# Altium PCB miniBackplane.PcbDoc (part 10 of 24)
Units mil, origin at the board's own origin, x right, y up, seen from the top; angles counter-clockwise.
Board outline 17285.63 x 8582.68 mil, 6 copper layers (Top Layer, Mid-Layer 1, GND, PWR, Mid-Layer 2, Bottom Layer), stack 62.362 mil thick; 519 components, 474 nets, 2434 pads, 1493 vias.
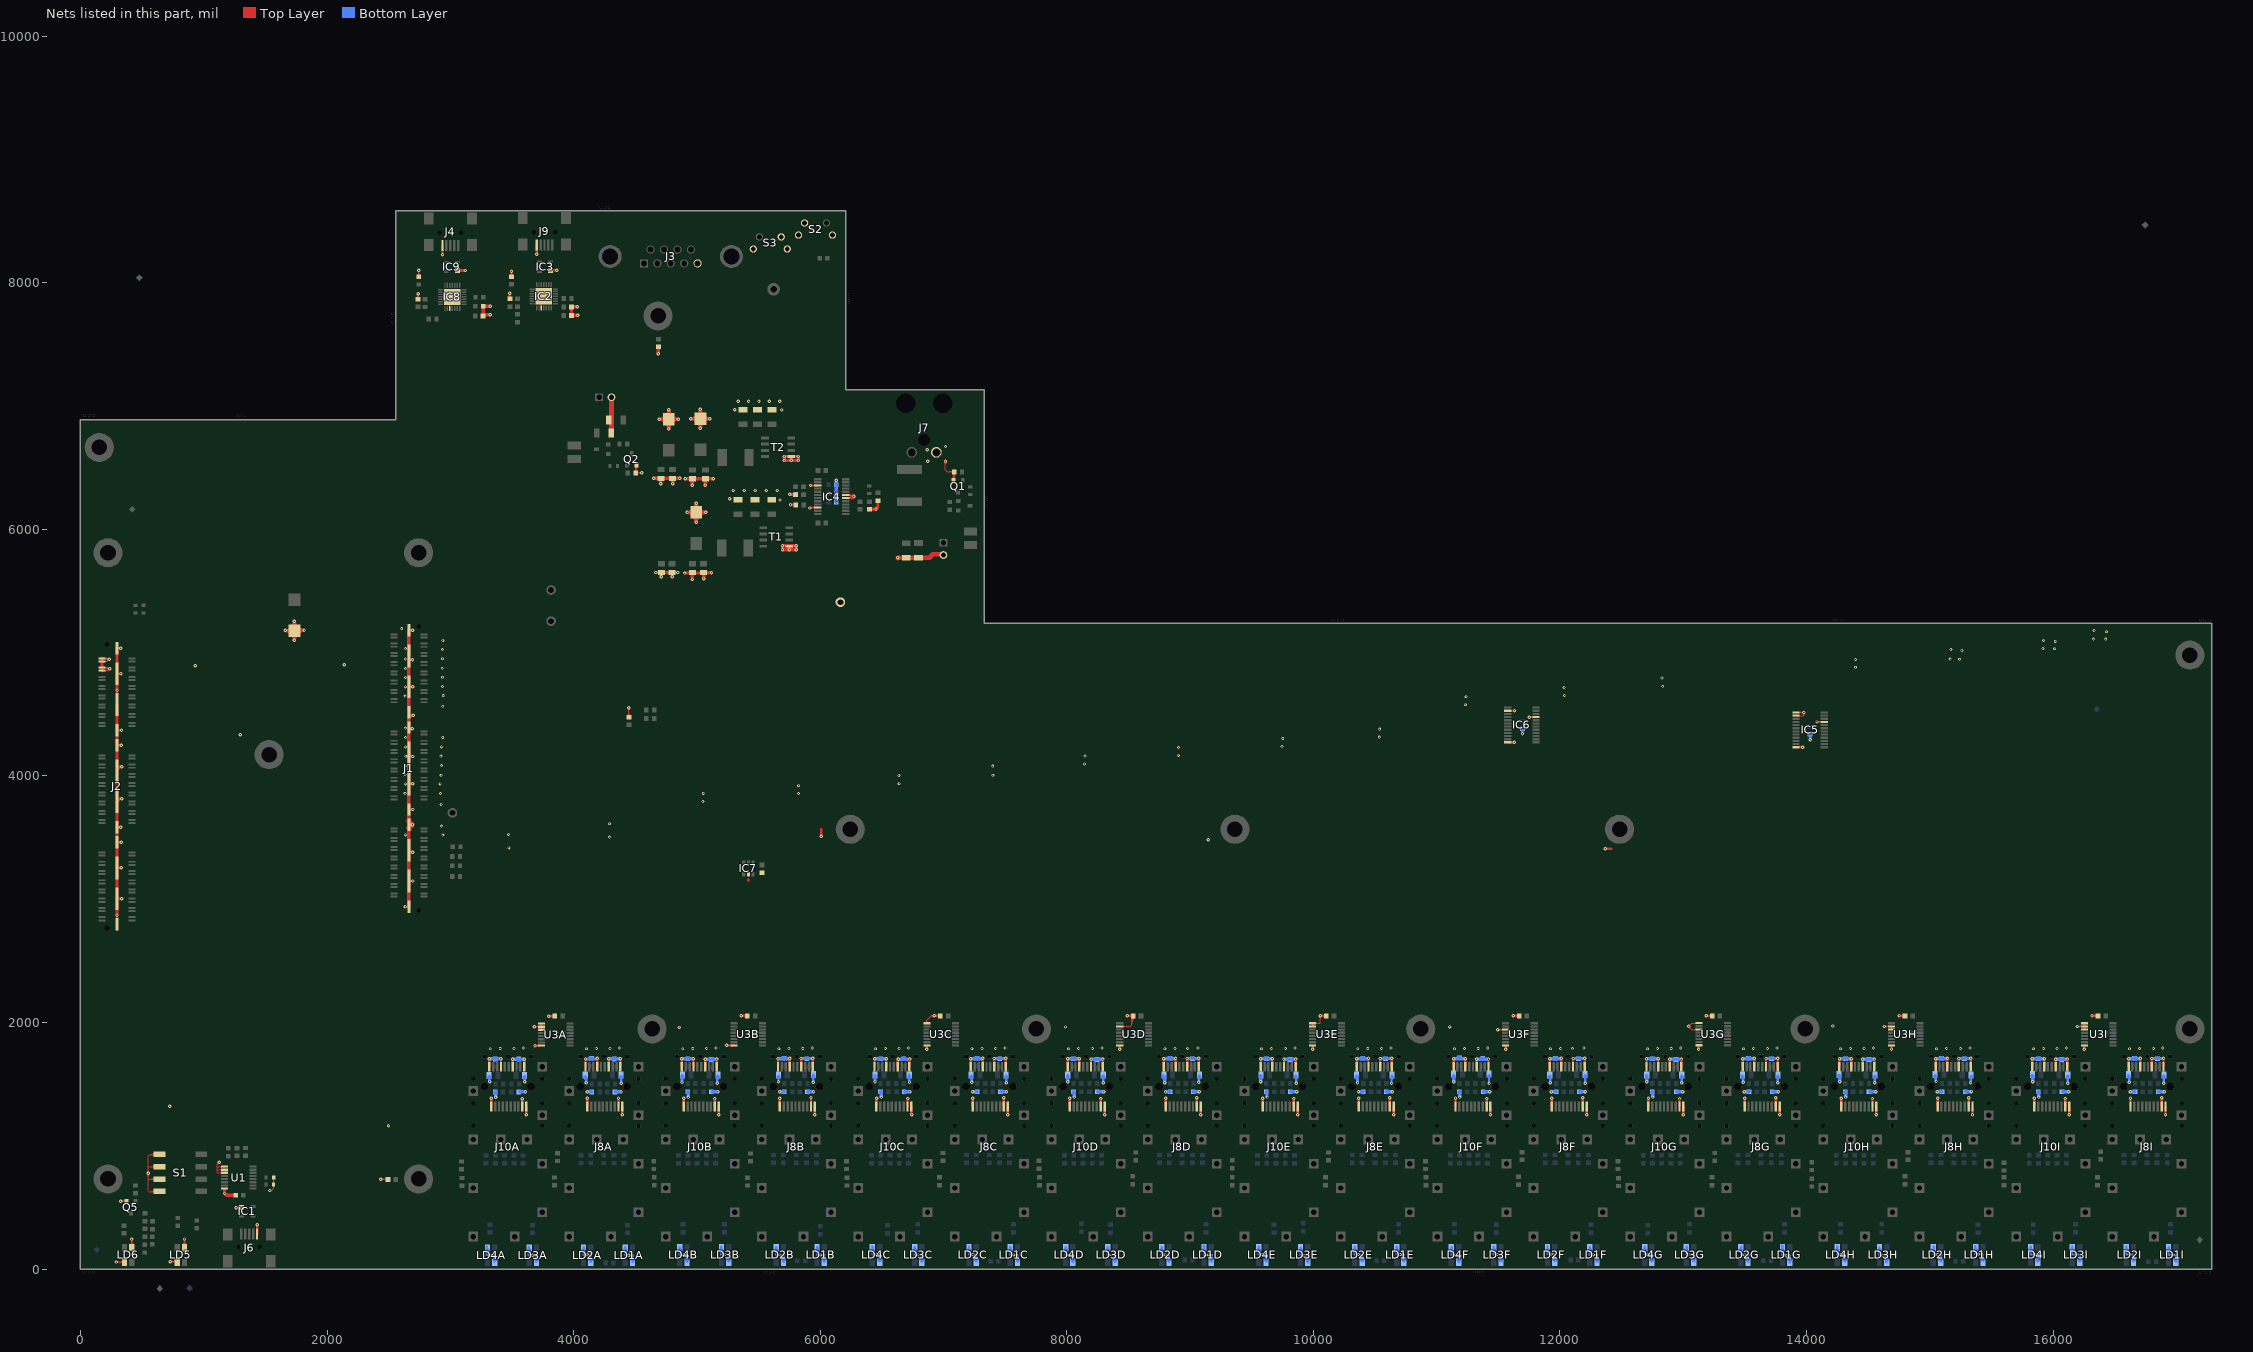
[diagram p14: the nets of this part, all layers, seen from the top]

## Via types
v1: diameter 27.56, hole 11.81, Top Layer to Bottom Layer, tented both sides, 1347 vias
v2: diameter 23.62, hole 11.81, Top Layer to Bottom Layer, tented both sides, 146 vias

## Nets (pads, with @x,y where several pads share a name; then routed paths per layer and width w, separated by ;. In a path a pad name is that pad's centre, name@x,y a point inside that pad or via, vN(x,y) a via of type N, cw(c..) or ccw(c..) an arc to the next point about the centre after c; other vN are vias at no path point) (continued)
GND: C1.1 C2.1 C3A.1 C3B.1 C3C.1 C3D.1 C3E.1 C3F.1 C3G.1 C3H.1 C3I.1 C4A.2 C4B.2 C4C.2 C4D.2 C4E.2 C4F.2 C4G.2 C4H.2 C4I.2 C5A.2 C5B.2 C5C.2 C5D.2 C5E.2 C5F.2 C5G.2 C5H.2 C5I.2 C6A.2 C6B.2 C6C.2 C6D.2 C6E.2 C6F.2 C6G.2 C6H.2 C6I.2 C7A.2 C7B.2 C7C.2 C7D.2 C7E.2 C7F.2 C7G.2 C7H.2 C7I.2 C8A.1 C8B.1 C8C.1 C8D.1 C8E.1 C8F.1 C8G.1 C8H.1 C8I.1 C9A.2 C9B.2 C9C.2 C9D.2 C9E.2 C9F.2 C9G.2 C9H.2 C9I.2 C10A.1 C10B.1 C10C.1 C10D.1 C10E.1 C10F.1 C10G.1 C10H.1 C10I.1 C11A.2 C11B.2 C11C.2 C11D.2 C11E.2 C11F.2 C11G.2 C11H.2 C11I.2 C12A.2 C12B.2 C12C.2 C12D.2 C12E.2 C12F.2 C12G.2 C12H.2 C12I.2 C13A.2 C13B.2 C13C.2 C13D.2 C13E.2 C13F.2 C13G.2 C13H.2 C13I.2 C14A.2 C14B.2 C14C.2 C14D.2 C14E.2 C14F.2 C14G.2 C14H.2 C14I.2 C15A.1 C15B.1 C15C.1 C15D.1 C15E.1 C15F.1 C15G.1 C15H.1 C15I.1 C16.1 C17.2 C18.2 C19.2 C20.2 C21.2 C22.2 C23.2 C24.2 C26.2 C27.2 C28.1 C29.2 C30.2 C31.2 C32.2 C33.1 C34.1 C35.2 C36.2 C37.2 C39.2 C40.2 C41.2 C43.2 C44.2 C45.2 C46.2 C55.1 C56.1 C57.2 C58.2 IC1.1 IC2.3 IC2.29 IC3.1 IC4.6 IC4.7 IC4.15 IC4.22 IC5.1 IC5.2 IC5.12 IC5.21 IC6.2 IC6.12 IC6.21 IC7.2 IC8.3 IC8.29 IC9.1 J1.97 J1.98 J1.99 J1.100 J1.101 J1.102 J1.103 J1.104 J1.105 J1.106 J1.107 J1.108 J2.89 J2.91 J2.93 J2.95 J2.97 J2.98 J2.99 J2.100 J2.101 J2.102 J2.103 J2.104 J2.105 J2.106 J2.107 J2.108 J3.5 J4.5 J5.2 J6.5 J7.2 J8A.1 J8A.9 J8A.10 J8A.11 J8A.14 J8A.17 J8A.20 J8B.1 J8B.9 J8B.10 J8B.11 J8B.14 J8B.17 J8B.20 J8C.1 J8C.9 J8C.10 J8C.11 J8C.14 J8C.17 J8C.20 J8D.1 J8D.9 J8D.10 J8D.11 J8D.14 J8D.17 J8D.20 J8E.1 J8E.9 J8E.10 J8E.11 J8E.14 J8E.17 J8E.20 J8F.1 J8F.9 J8F.10 J8F.11 J8F.14 J8F.17 J8F.20 J8G.1 J8G.9 J8G.10 J8G.11 J8G.14 J8G.17 J8G.20 J8H.1 J8H.9 J8H.10 J8H.11 J8H.14 J8H.17 J8H.20 J8I.1 J8I.9 J8I.10 J8I.11 J8I.14 J8I.17 J8I.20 J9.5 J10A.1 J10A.9 J10A.10 J10A.11 J10A.14 J10A.17 J10A.20 J10B.1 J10B.9 J10B.10 J10B.11 J10B.14 J10B.17 J10B.20 J10C.1 J10C.9 J10C.10 J10C.11 J10C.14 J10C.17 J10C.20 J10D.1 J10D.9 J10D.10 J10D.11 J10D.14 J10D.17 J10D.20 J10E.1 J10E.9 J10E.10 J10E.11 J10E.14 J10E.17 J10E.20 J10F.1 J10F.9 J10F.10 J10F.11 J10F.14 J10F.17 J10F.20 J10G.1 J10G.9 J10G.10 J10G.11 J10G.14 J10G.17 J10G.20 J10H.1 J10H.9 J10H.10 J10H.11 J10H.14 J10H.17 J10H.20 J10I.1 J10I.9 J10I.10 J10I.11 J10I.14 J10I.17 J10I.20 J11.2 L7.1 LD1A.1 LD1A.4 LD1B.1 LD1B.4 LD1C.1 LD1C.4 LD1D.1 LD1D.4 LD1E.1 LD1E.4 LD1F.1 LD1F.4 LD1G.1 LD1G.4 LD1H.1 LD1H.4 LD1I.1 LD1I.4 LD2A.1 LD2A.4 LD2B.1 LD2B.4 LD2C.1 LD2C.4 LD2D.1 LD2D.4 LD2E.1 LD2E.4 LD2F.1 LD2F.4 LD2G.1 LD2G.4 LD2H.1 LD2H.4 LD2I.1 LD2I.4 LD3A.1 LD3A.4 LD3B.1 LD3B.4 LD3C.1 LD3C.4 LD3D.1 LD3D.4 LD3E.1 LD3E.4 LD3F.1 LD3F.4 LD3G.1 LD3G.4 LD3H.1 LD3H.4 LD3I.1 LD3I.4 LD4A.1 LD4A.4 LD4B.1 LD4B.4 LD4C.1 LD4C.4 LD4D.1 LD4D.4 LD4E.1 LD4E.4 LD4F.1 LD4F.4 LD4G.1 LD4G.4 LD4H.1 LD4H.4 LD4I.1 LD4I.4 LD5.1 LD5.4 LD6.1 LD6.4 pad.@6164,5409 Q1.3 Q2.3 Q5.3 R1.2 R2.2 R5.2 R34.2 R35.2 R37.2 R40.1 R41.2 R42.2 R44.2 R46.2 R47.2 R66.2 R67.2 S1.5 S1.6 S1.7 S1.8 S2.2 S2.3 S2.4 S3.1 S3.3 S3.4 T1.1 T2.1 U1.1 U1.2 U1.3 U1.8 U3A.1 U3A.2 U3A.3 U3A.8 U3B.8 U3C.1 U3C.8 U3D.2 U3D.8 U3E.1 U3E.2 U3E.8 U3F.3 U3F.8 U3G.1 U3G.3 U3G.8 U3H.2 U3H.3 U3H.8 U3I.1 U3I.2 U3I.3 U3I.8 | length 62725.7
  Top Layer w7.87: J2.89@174.94,4853.79 219.93,4853.79 v1(236.22,4870.08) 227.51,4878.79 J2.91@174.94,4878.79 ; J2.93@174.94,4928.79 216.19,4928.79 ; J2.95@174.94,4953.79 223.37,4953.79 v1(232.28,4944.88) 216.19,4928.79 ; J2.91@199.02,4880.76 ccw(c210.45,4887.36) 207.04,4874.61 ; J2.95@199.02,4955.76 ccw(c213.83,4964.31) 209.4,4947.79 ; 205.79,4949.2 ccw(c213.85,4963.16) v1@225.29,4951.81 ; 210.03,4874.22 ccw(c217.86,4887.79) v1@229.14,4876.91 ; 214.64,4944.09 ccw(c221.35,4955.72) v1@230.89,4946.27 ; 218.75,4869.19 ccw(c225.33,4880.58) v1@234.8,4871.45 ; v1@222.64,4942.92 ccw(c209.24,4940.21) 216.08,4952.04 ccw(c220.7,4960.05) v1@226.31,4952.7 ; v1@226.55,4868.27 ccw(c213.86,4865.89) 220.31,4877.07 ccw(c224.68,4884.62) v1@230.1,4877.79 ; v1(289.94,56.94) LD6.4@357.47,56.94 ; 309.91,56.94 cw(c309.91,7.4) LD6.4@344.94,42.43 ; 319.49,56.94 ccw(c319.49,92.94) LD6.4@344.94,67.49 ; v1@323,544 v1(328.24,549.24) Q5.3@372.6,549.24 ; 328.92,56.94 cw(c328.92,26.41) LD6.4@350.51,48 ; LD6.4@344.94,44.42 ccw(c314.7,14.17) 314.7,56.94 ccw(c314.7,99.72) LD6.4@344.94,69.47 ; LD6.4@350.51,49.99 ccw(c333.71,33.18) 333.71,56.94 ccw(c333.71,80.71) LD6.4@350.51,63.9 ; LD6.1@404,193.47 ccw(c373.76,223.72) 416.53,223.72 ccw(c459.3,223.72) LD6.1@429.06,193.47 ; LD6.1@404,195.46 ccw(c373.76,225.7) 416.53,225.7 ccw(c459.3,225.7) LD6.1@429.06,195.46 ; LD6.1@409.57,187.9 ccw(c392.77,204.71) 416.53,204.71 ccw(c440.29,204.71) LD6.1@423.49,187.9 ; LD6.1@409.57,189.89 ccw(c392.77,206.69) 416.53,206.69 ccw(c440.29,206.69) LD6.1@423.49,189.89 ; v1@415,245 v1(416.53,243.47) LD6.1@416.53,175.06 ; S1.8@677.02,629 554,629 549,634 549,723 ; S1.7@677.02,729 555,729 549,723 ; S1.6@677.02,829 550,829 549,828 ; S1.5@677.02,929 561,929 549,917 549,828 ; v1@721,54 v1(726.94,59.94) LD5.4@785.47,59.94 ; v1@731.87,68.47 ccw(c747.31,95.22) 755.31,65.38 ; v1@735.02,59.94 ccw(c735.02,112.58) LD5.4@772.24,75.36 ; v1@735.47,55.02 cw(c749.87,46.71) 745.57,62.77 ; 748.97,59.94 cw(c748.97,27.04) LD5.4@772.24,50.31 ; 754.03,59.94 ccw(c754.03,93.57) LD5.4@777.8,69.79 ; LD5.4@772.94,47.42 ccw(c742.7,17.17) 742.7,59.94 ccw(c742.7,102.72) LD5.4@772.94,72.47 ; LD5.4@778.51,52.99 ccw(c761.71,36.18) 761.71,59.94 ccw(c761.71,83.71) LD5.4@778.51,66.9 ; LD5.1@831.29,193.47 ccw(c799.34,225.43) 844.53,225.43 ; LD5.1@832,198.46 ccw(c801.76,228.7) 844.53,228.7 ccw(c887.3,228.7) LD5.1@857.06,198.46 ; LD5.1@836.86,187.9 ccw(c818.35,206.42) 844.53,206.42 ; LD5.1@837.57,192.89 ccw(c820.77,209.69) 844.53,209.69 ccw(c868.29,209.69) LD5.1@851.49,192.89 ; LD5.1@844.53,178.06 844.53,230.53 v1@847,233 ; 844.53,203 ccw(c865.87,203) LD5.1@850.78,187.9 ; 844.53,222.01 ccw(c884.88,222.01) LD5.1@856.35,193.47 ; 1111.52,853.01 ccw(c1106.66,871.17) v1@1125.07,867.39 ; 1113.01,851.52 cw(c1131.17,846.66) v1@1127.39,865.07 ; v1(1127,867) 1110,850 1110,829 ; U1.3@1168.86,780.39 1113.61,780.39 1110,784 1110,806.5 ; U1.2@1168.86,805.98 1110.52,805.98 1110,806.5 ; U1.1@1168.86,831.57 1112.57,831.57 1110,829 ; v1(1534,637) 1549,637 1567.51,655.51 R66.2@1567.51,743 ; v1(2435,729) 2437,727 C41.2@2487.5,727 ; R44.2@2735,7866.5 2739,7870.5 v1(2739,7912) ; R46.2@2744,8048.5 v1(2744,8101) ; v1(2937.01,8227.99) v1@2938,8227 ; IC8.3@2996.31,7790.51 2996.31,7865.32 IC8.29@3016,7885 ; v1(3122.47,8099.47) v1@3125,8102 ; v1(3481,7914) 3481,7871.59 R34.2@3483.45,7869.14 ; v1@3495,8095 v1(3496,8094) R47.2@3496,8049.5 ; v1(3680.69,1965.94) U3A.2@3738.53,1965.94 ; U3A.3@3738.53,1940.35 U3A.2@3738.53,1965.94 ; U3A.1@3738.53,1991.53 U3A.2@3738.53,1965.94 ; IC2.3@3738.98,7795.37 3738.98,7870.17 IC2.29@3758.66,7889.86 ; R5.2@4448.82,4476.38 v1(4448.82,4551.18) ; R2.2@4492.69,6457.42 4509.2,6473.92 Q2.3@4509.2,6512.57 ; Q2.3@4499.42,6510.51 cw(c4471.45,6492.85) 4503.4,6484.29 ; R2.2@4503.69,6457.42 v1(4552.2,6457.42) v1@4553.2,6456.42 ; 4506.19,6494.71 cw(c4525.09,6489.64) Q2.3@4515.31,6506.59 ; IC4.7@6208,6278.73 6263.34,6278.73 ; IC4.7@6231.13,6274.47 cw(c6235.1,6267.59) IC4.7@6237.16,6275.26 ; IC4.7@6232.93,6281.19 ccw(c6246.62,6289.1) 6242.53,6273.83 ; 6244.72,6273.91 ccw(c6255.17,6292.01) v1@6268.1,6275.6 ; 6254.78,6268.11 ccw(c6262.91,6282.19) v1@6272.98,6269.42 ; 6255.01,6276.76 ccw(c6262.46,6289.67) v1@6269.53,6276.54 ; 6256.64,6275.81 cw(c6248.01,6260.86) v1@6264.69,6265.33 ; v1(6274.2,6267.87) 6263.34,6278.73 ; U3C.1@6864.98,1993.19 6864.98,2018.13 6900.48,2053.62 v1(6926.13,2053.62) ; v1(7016.36,6551.46) 7016.36,6483.64 7031.5,6468.5 7083,6468.5 R1.2@7087.5,6464 7081.6,6458.09 Q1.3@7081.6,6398.24 ; U3D.2@8429.98,1967.6 8515.24,1967.6 8527.97,1980.32 8527.97,2041.96 C9D.2@8539.63,2053.62 ; C9D.2@8529.47,2041.92 cw(c8520.41,2032.37) 8531.81,2025.79 ; C9D.2@8531.19,2040.53 cw(c8522.01,2027.36) 8535.65,2018.91 ; 8535.61,2032.36 cw(c8546.8,2025.9) C9D.2@8543.45,2038.38 ; C9D.2@8535.69,2046.99 cw(c8526.77,2034.19) 8540.03,2025.98 ; C9D.2@8540.19,2053.45 cw(c8531.53,2041.02) 8544.41,2033.05 ; U3E.2@9994.98,1967.6 U3E.1@9994.98,1993.19 9997.35,1995.56 10055.07,1995.56 ; 10056.13,1996.61 v1(10056.13,2053.62) ; v1@11497.09,1942.01 U3F.3@11559.55,1942.01 ; IC6.2@11577.4,4528.07 v1(11631.42,4528.07) ; v1(11752.6,4476.89) IC6.21@11805.75,4476.89 ; 11768.26,4474.72 cw(c11773.01,4456.99) IC6.21@11782.53,4472.68 ; 11768.26,4479.06 ccw(c11773.01,4496.79) IC6.21@11782.53,4481.1 ; v1@13042.89,1966.58 cw(c13039.12,1948.17) 13057.27,1953.03 ; v1@13042.89,1970.44 ccw(c13039.12,1988.85) 13057.27,1983.99 ; v1@13045.21,1968.12 cw(c13063.63,1964.35) 13058.76,1982.5 ; v1@13045.21,1968.91 ccw(c13063.63,1972.68) 13058.76,1954.52 ; 13097.3,1943.07 cw(c13099.79,1938.76) U3G.3@13104.04,1941.35 ; U3G.3@13123.5,1940.95 13070.84,1940.95 v1(13043.28,1968.51) 13067.96,1993.19 U3G.1@13124.55,1993.19 ; IC5.2@13914.92,4488.7 13974.25,4488.7 13978.35,4492.8 ; IC5.1@13914.92,4514.29 v1(13978.35,4514.29) 13978.35,4492.8 ; v1(14085.12,4437.52) IC5.21@14143.27,4437.52 ; v1(14631.72,1967.6) U3H.2@14689.55,1967.6 U3H.3@14689.55,1942.01 ; v1(16196.72,1967.6) U3I.2@16254.55,1967.6 ; U3I.3@16254.55,1942.01 U3I.2@16254.55,1967.6 ; U3I.1@16254.55,1993.19 U3I.2@16254.55,1967.6 ; 205.12,4853.79 ccw(c205.12,4844.29) 198.39,4851.01 cw(c205.12,4844.29) 205.12,4853.79 ; 205.12,4853.79 cw(c205.12,4863.3) 198.39,4856.58 ccw(c205.12,4863.3) 205.12,4853.79 ; 205.12,4878.79 ccw(c205.12,4869.29) 198.39,4876.01 cw(c205.12,4869.29) 205.12,4878.79 ; 205.12,4878.79 cw(c205.12,4888.3) 198.39,4881.58 ccw(c205.12,4888.3) 205.12,4878.79 ; 205.12,4928.79 ccw(c205.12,4919.29) 198.39,4926.01 cw(c205.12,4919.29) 205.12,4928.79 ; 205.12,4928.79 cw(c205.12,4938.3) 198.39,4931.58 ccw(c205.12,4938.3) 205.12,4928.79 ; 205.12,4953.79 ccw(c205.12,4944.29) 198.39,4951.01 cw(c205.12,4944.29) 205.12,4953.79 ; 205.12,4953.79 cw(c205.12,4963.3) 198.39,4956.58 ccw(c205.12,4963.3) 205.12,4953.79 ; 216.19,4928.79 ccw(c201.07,4943.91) 222.45,4944.58 cw(c201.07,4943.91) 216.19,4928.79 ; 216.19,4928.79 cw(c231.31,4913.67) 231.98,4935.04 ccw(c231.31,4913.67) 216.19,4928.79 ; 219.93,4853.79 ccw(c204.36,4869.37) 226.38,4869.86 cw(c204.36,4869.37) 219.93,4853.79 ; 219.93,4853.79 cw(c235.51,4838.22) 236,4860.24 ccw(c235.51,4838.22) 219.93,4853.79 ; 313.71,56.94 ccw(c313.71,33.18) 296.9,49.99 cw(c313.71,33.18) 313.71,56.94 ; 313.71,56.94 cw(c313.71,80.71) 296.9,63.9 ccw(c313.71,80.71) 313.71,56.94 ; 344.08,549.24 ccw(c344.08,577.76) 364.25,557.6 cw(c344.08,577.76) 344.08,549.24 ; 344.08,549.24 cw(c344.08,520.73) 364.25,540.89 ccw(c344.08,520.73) 344.08,549.24 ; 352.01,549.24 ccw(c352.01,525.48) 335.2,542.28 cw(c352.01,525.48) 352.01,549.24 ; 352.01,549.24 cw(c352.01,573.01) 335.2,556.2 ccw(c352.01,573.01) 352.01,549.24 ; 416.53,219.71 ccw(c392.77,219.71) 409.57,236.51 cw(c392.77,219.71) 416.53,219.71 ; 416.53,219.71 cw(c440.29,219.71) 423.49,236.51 ccw(c440.29,219.71) 416.53,219.71 ; 549,723 v1(549,775.5) 549,828 ; 549,751.74 ccw(c525.24,751.74) 542.04,768.54 cw(c525.24,751.74) 549,751.74 ; 549,751.74 cw(c572.76,751.74) 555.96,768.54 ccw(c572.76,751.74) 549,751.74 ; 549,799.26 ccw(c572.76,799.26) 555.96,782.46 cw(c572.76,799.26) 549,799.26 ; 549,799.26 cw(c525.24,799.26) 542.04,782.46 ccw(c525.24,799.26) 549,799.26 ; 750.71,59.94 ccw(c750.71,36.18) 733.9,52.99 cw(c750.71,36.18) 750.71,59.94 ; 750.71,59.94 cw(c750.71,83.71) 733.9,66.9 ccw(c750.71,83.71) 750.71,59.94 ; 1110,806.5 1110,829 ; 1110.2,850.2 ccw(c1093.4,867) 1117.16,867 cw(c1093.4,867) 1110.2,850.2 ; 1110.2,850.2 cw(c1127,833.4) 1127,857.16 ccw(c1127,833.4) 1110.2,850.2 ; 1137.29,780.39 ccw(c1137.29,792.27) 1145.69,783.87 cw(c1137.29,792.27) 1137.29,780.39 ; 1137.29,780.39 cw(c1137.29,768.5) 1145.69,776.91 ccw(c1137.29,768.5) 1137.29,780.39 ; 1137.29,805.98 ccw(c1137.29,817.86) 1145.69,809.46 cw(c1137.29,817.86) 1137.29,805.98 ; 1137.29,805.98 cw(c1137.29,794.1) 1145.69,802.5 ccw(c1137.29,794.1) 1137.29,805.98 ; 1137.29,831.57 ccw(c1137.29,843.45) 1145.69,835.05 cw(c1137.29,843.45) 1137.29,831.57 ; 1137.29,831.57 cw(c1137.29,819.69) 1145.69,828.09 ccw(c1137.29,819.69) 1137.29,831.57 ; v1@2731.04,7906.21 cw(c2713.4,7893.39) 2734.47,7887.74 ; v1@2731.04,7906.21 cw(c2713.4,7893.39) 2734.47,7887.74 ; v1@2731.04,7906.21 cw(c2713.4,7893.39) 2734.47,7887.74 ; 2735.87,7892.98 cw(c2752.56,7888.51) v1@2743.92,7903.48 ; 2735.87,7892.98 cw(c2752.56,7888.51) v1@2743.92,7903.48 ; 2735.87,7892.98 cw(c2752.56,7888.51) v1@2743.92,7903.48 ; 2739,7888.24 ccw(c2715.24,7888.24) 2732.04,7905.04 cw(c2715.24,7888.24) 2739,7888.24 ; 2739,7888.24 cw(c2762.76,7888.24) 2745.96,7905.04 ccw(c2762.76,7888.24) 2739,7888.24 ; 2744,8077.24 ccw(c2720.24,8077.24) 2737.04,8094.04 cw(c2720.24,8077.24) 2744,8077.24 ; 2744,8077.24 cw(c2767.76,8077.24) 2750.96,8094.04 ccw(c2767.76,8077.24) 2744,8077.24 ; 2744,8081.76 ccw(c2777.27,8081.76) 2753.74,8058.24 cw(c2777.27,8081.76) 2744,8081.76 ; 2744,8081.76 cw(c2710.73,8081.76) 2734.26,8058.24 ccw(c2710.73,8081.76) 2744,8081.76 ; v1@3473.99,7907.09 cw(c3462.01,7895.31) 3478.24,7890.96 ; v1@3473.99,7907.09 cw(c3462.01,7895.31) 3478.24,7890.96 ; v1@3473.99,7907.09 cw(c3462.01,7895.31) 3478.24,7890.96 ; v1@3476.08,7905.48 cw(c3468.81,7892.88) 3482.85,7896.65 ; v1@3476.08,7905.48 cw(c3468.81,7892.88) 3482.85,7896.65 ; v1@3476.08,7905.48 cw(c3468.81,7892.88) 3482.85,7896.65 ; 3480.1,7897.89 cw(c3492.17,7894.66) v1@3485.92,7905.48 ; 3480.1,7897.89 cw(c3492.17,7894.66) v1@3485.92,7905.48 ; 3480.1,7897.89 cw(c3492.17,7894.66) v1@3485.92,7905.48 ; 3481,7890.24 ccw(c3457.24,7890.24) 3474.04,7907.04 cw(c3457.24,7890.24) 3481,7890.24 ; 3481,7890.24 cw(c3504.76,7890.24) 3487.96,7907.04 ccw(c3504.76,7890.24) 3481,7890.24 ; 3484.47,7890.63 cw(c3502.22,7895.39) v1@3488.4,7907.51 ; 3484.47,7890.63 cw(c3502.22,7895.39) v1@3488.4,7907.51 ; 3484.47,7890.63 cw(c3502.22,7895.39) v1@3488.4,7907.51 ; v1@3488.79,8087.3 cw(c3476.1,8075.48) 3492.85,8071 ; v1@3488.79,8087.3 cw(c3476.1,8075.48) 3492.85,8071 ; v1@3488.79,8087.3 cw(c3476.1,8075.48) 3492.85,8071 ; v1@3491.08,8085.48 cw(c3484.16,8073.5) 3497.52,8077.08 ; v1@3491.08,8085.48 cw(c3484.16,8073.5) 3497.52,8077.08 ; v1@3491.08,8085.48 cw(c3484.16,8073.5) 3497.52,8077.08 ; 3494.48,8077.08 cw(c3507.84,8073.5) v1@3500.92,8085.48 ; 3494.48,8077.08 cw(c3507.84,8073.5) v1@3500.92,8085.48 ; 3494.48,8077.08 cw(c3507.84,8073.5) v1@3500.92,8085.48 ; 3496,8070.24 ccw(c3472.24,8070.24) 3489.04,8087.04 cw(c3472.24,8070.24) 3496,8070.24 ; 3496,8070.24 cw(c3519.76,8070.24) 3502.96,8087.04 ccw(c3519.76,8070.24) 3496,8070.24 ; v1@3496,8082.76 ccw(c3529.27,8082.76) 3505.74,8059.24 cw(c3529.27,8082.76) v1@3496,8082.76 ; v1@3496,8082.76 cw(c3462.73,8082.76) 3486.26,8059.24 ccw(c3462.73,8082.76) v1@3496,8082.76 ; 3499.15,8071 cw(c3515.9,8075.48) v1@3503.21,8087.3 ; 3499.15,8071 cw(c3515.9,8075.48) v1@3503.21,8087.3 ; 3499.15,8071 cw(c3515.9,8075.48) v1@3503.21,8087.3 ; 3704.45,1965.94 ccw(c3704.45,1942.18) 3687.65,1958.98 cw(c3704.45,1942.18) 3704.45,1965.94 ; 3704.45,1965.94 cw(c3704.45,1989.7) 3687.65,1972.9 ccw(c3704.45,1989.7) 3704.45,1965.94 ; 3706.96,1965.94 ccw(c3706.96,1977.82) 3715.36,1969.42 cw(c3706.96,1977.82) 3706.96,1965.94 ; 3706.96,1965.94 cw(c3706.96,1954.06) 3715.36,1962.46 ccw(c3706.96,1954.06) 3706.96,1965.94 ; 3738.53,1952.23 ccw(c3750.41,1952.23) 3742.01,1943.83 cw(c3750.41,1952.23) 3738.53,1952.23 ; 3738.53,1952.23 cw(c3726.65,1952.23) 3735.05,1943.83 ccw(c3726.65,1952.23) 3738.53,1952.23 ; 3738.53,1954.06 ccw(c3726.65,1954.06) 3735.05,1962.46 cw(c3726.65,1954.06) 3738.53,1954.06 ; 3738.53,1954.06 cw(c3750.41,1954.06) 3742.01,1962.46 ccw(c3750.41,1954.06) 3738.53,1954.06 ; 3738.53,1977.82 ccw(c3750.41,1977.82) 3742.01,1969.42 cw(c3750.41,1977.82) 3738.53,1977.82 ; 3738.53,1977.82 cw(c3726.65,1977.82) 3735.05,1969.42 ccw(c3726.65,1977.82) 3738.53,1977.82 ; 3738.53,1979.65 ccw(c3726.65,1979.65) 3735.05,1988.05 cw(c3726.65,1979.65) 3738.53,1979.65 ; 3738.53,1979.65 cw(c3750.41,1979.65) 3742.01,1988.05 ccw(c3750.41,1979.65) 3738.53,1979.65 ; 4448.82,4509.64 ccw(c4482.09,4509.64) 4458.56,4486.12 cw(c4482.09,4509.64) 4448.82,4509.64 ; 4448.82,4509.64 cw(c4415.55,4509.64) 4439.08,4486.12 ccw(c4415.55,4509.64) 4448.82,4509.64 ; 4448.82,4527.42 ccw(c4425.06,4527.42) 4441.86,4544.22 cw(c4425.06,4527.42) 4448.82,4527.42 ; 4448.82,4527.42 cw(c4472.58,4527.42) 4455.78,4544.22 ccw(c4472.58,4527.42) 4448.82,4527.42 ; 4528.44,6457.42 ccw(c4528.44,6481.18) 4545.24,6464.38 cw(c4528.44,6481.18) 4528.44,6457.42 ; 4528.44,6457.42 cw(c4528.44,6433.65) 4545.24,6450.46 ccw(c4528.44,6433.65) 4528.44,6457.42 ; 4536.96,6457.42 ccw(c4536.96,6424.15) 4513.44,6447.67 cw(c4536.96,6424.15) 4536.96,6457.42 ; 4536.96,6457.42 cw(c4536.96,6490.68) 4513.44,6467.16 ccw(c4536.96,6490.68) 4536.96,6457.42 ; 6240.55,6278.73 ccw(c6240.55,6266.85) 6232.15,6275.25 cw(c6240.55,6266.85) 6240.55,6278.73 ; 6240.55,6278.73 cw(c6240.55,6290.61) 6232.15,6282.21 ccw(c6240.55,6290.61) 6240.55,6278.73 ; 6263.34,6278.73 ccw(c6268.33,6283.72) 6270.78,6277.1 cw(c6268.33,6283.72) 6263.34,6278.73 ; 6263.34,6278.73 cw(c6258.35,6273.74) 6264.97,6271.29 ccw(c6258.35,6273.74) 6263.34,6278.73 ; 6864.98,2005.07 ccw(c6876.86,2005.07) 6868.46,1996.67 cw(c6876.86,2005.07) 6864.98,2005.07 ; 6864.98,2005.07 cw(c6853.1,2005.07) 6861.5,1996.67 ccw(c6853.1,2005.07) 6864.98,2005.07 ; 6902.36,2053.62 ccw(c6902.36,2077.38) 6919.17,2060.58 cw(c6902.36,2077.38) 6902.36,2053.62 ; 6902.36,2053.62 cw(c6902.36,2029.86) 6919.17,2046.66 ccw(c6902.36,2029.86) 6902.36,2053.62 ; 7016.36,6527.7 ccw(c6992.59,6527.7) 7009.4,6544.5 cw(c6992.59,6527.7) 7016.36,6527.7 ; 7016.36,6527.7 cw(c7040.12,6527.7) 7023.32,6544.5 ccw(c7040.12,6527.7) 7016.36,6527.7 ; Q1.3@7075.63,6412.37 ccw(c7066.61,6427.79) 7083.89,6423.27 ; Q1.3@7075.63,6412.37 ccw(c7066.61,6427.79) 7083.89,6423.27 ; Q1.3@7075.63,6412.37 ccw(c7066.61,6427.79) 7083.89,6423.27 ; 7081.6,6430.7 ccw(c7110.11,6430.7) 7089.95,6410.53 cw(c7110.11,6430.7) 7081.6,6430.7 ; 7081.6,6430.7 cw(c7053.08,6430.7) 7073.25,6410.53 ccw(c7053.08,6430.7) 7081.6,6430.7 ; 7082.58,6418.25 ccw(c7099.28,6413.88) Q1.3@7084.88,6404.35 ; 7082.58,6418.25 ccw(c7099.28,6413.88) Q1.3@7084.88,6404.35 ; 7082.58,6418.25 ccw(c7099.28,6413.88) Q1.3@7084.88,6404.35 ; 7087.04,6435.3 ccw(c7119.01,6426.93) Q1.3@7091.45,6408.7 ; 7087.04,6435.3 ccw(c7119.01,6426.93) Q1.3@7091.45,6408.7 ; 7087.04,6435.3 ccw(c7119.01,6426.93) Q1.3@7091.45,6408.7 ; 8461.55,1967.6 ccw(c8461.55,1955.72) 8453.15,1964.12 cw(c8461.55,1955.72) 8461.55,1967.6 ; 8461.55,1967.6 cw(c8461.55,1979.48) 8453.15,1971.08 ccw(c8461.55,1979.48) 8461.55,1967.6 ; 9994.98,1979.48 ccw(c10006.86,1979.48) 9998.46,1971.08 cw(c10006.86,1979.48) 9994.98,1979.48 ; 9994.98,1979.48 cw(c9983.1,1979.48) 9991.5,1971.08 ccw(c9983.1,1979.48) 9994.98,1979.48 ; 9994.98,1981.31 ccw(c9983.1,1981.31) 9991.5,1989.71 cw(c9983.1,1981.31) 9994.98,1981.31 ; 9994.98,1981.31 cw(c10006.86,1981.31) 9998.46,1989.71 ccw(c10006.86,1981.31) 9994.98,1981.31 ; 10056.13,2029.86 ccw(c10032.36,2029.86) 10049.17,2046.66 cw(c10032.36,2029.86) 10056.13,2029.86 ; 10056.13,2029.86 cw(c10079.89,2029.86) 10063.09,2046.66 ccw(c10079.89,2029.86) 10056.13,2029.86 ; 11527.99,1942.01 ccw(c11527.99,1953.89) 11536.39,1945.49 cw(c11527.99,1953.89) 11527.99,1942.01 ; 11527.99,1942.01 cw(c11527.99,1930.13) 11536.39,1938.53 ccw(c11527.99,1930.13) 11527.99,1942.01 ; 11607.66,4528.07 ccw(c11607.66,4551.83) 11624.46,4535.03 cw(c11607.66,4551.83) 11607.66,4528.07 ; 11607.66,4528.07 cw(c11607.66,4504.31) 11624.46,4521.11 ccw(c11607.66,4504.31) 11607.66,4528.07 ; 11609.95,4528.07 ccw(c11609.95,4516.19) 11601.55,4524.59 cw(c11609.95,4516.19) 11609.95,4528.07 ; 11609.95,4528.07 cw(c11609.95,4539.95) 11601.55,4531.55 ccw(c11609.95,4539.95) 11609.95,4528.07 ; 11773.2,4476.89 ccw(c11773.2,4488.77) 11781.6,4480.37 cw(c11773.2,4488.77) 11773.2,4476.89 ; 11773.2,4476.89 cw(c11773.2,4465.01) 11781.6,4473.41 ccw(c11773.2,4465.01) 11773.2,4476.89 ; IC6.21@11776.36,4476.89 ccw(c11776.36,4453.13) 11759.56,4469.93 cw(c11776.36,4453.13) IC6.21@11776.36,4476.89 ; IC6.21@11776.36,4476.89 cw(c11776.36,4500.65) 11759.56,4483.85 ccw(c11776.36,4500.65) IC6.21@11776.36,4476.89 ; v1@13053.13,1968.51 ccw(c13076.89,1968.51) 13060.09,1951.71 ; v1@13053.13,1968.51 cw(c13076.89,1968.51) 13060.09,1985.31 ; v1@13053.13,1968.51 ccw(c13076.89,1968.51) 13060.09,1951.71 ; v1@13053.13,1968.51 cw(c13076.89,1968.51) 13060.09,1985.31 ; 13060.09,1951.71 ccw(c13043.28,1934.91) 13043.28,1958.67 cw(c13043.28,1934.91) 13060.09,1951.71 ; 13060.09,1985.31 cw(c13043.28,2002.12) 13043.28,1978.35 ccw(c13043.28,2002.12) 13060.09,1985.31 ; 13947.47,4488.7 ccw(c13947.47,4476.82) 13939.07,4485.22 cw(c13947.47,4476.82) 13947.47,4488.7 ; 13947.47,4488.7 cw(c13947.47,4500.58) 13939.07,4492.18 ccw(c13947.47,4500.58) 13947.47,4488.7 ; 13947.47,4514.29 ccw(c13947.47,4502.41) 13939.07,4510.81 cw(c13947.47,4502.41) 13947.47,4514.29 ; 13947.47,4514.29 cw(c13947.47,4526.17) 13939.07,4517.77 ccw(c13947.47,4526.17) 13947.47,4514.29 ; 13954.58,4514.29 ccw(c13954.58,4538.05) 13971.39,4521.25 cw(c13954.58,4538.05) 13954.58,4514.29 ; 13954.58,4514.29 cw(c13954.58,4490.53) 13971.39,4507.33 ccw(c13954.58,4490.53) 13954.58,4514.29 ; 13978.35,4492.8 ccw(c13959.8,4492.8) 13971.92,4506.84 cw(c13959.8,4492.8) 13978.35,4492.8 ; 13978.35,4492.8 cw(c13996.9,4492.8) 13984.78,4506.84 ccw(c13996.9,4492.8) 13978.35,4492.8 ; 14108.88,4437.52 ccw(c14108.88,4413.76) 14092.08,4430.56 cw(c14108.88,4413.76) 14108.88,4437.52 ; 14108.88,4437.52 cw(c14108.88,4461.28) 14092.08,4444.48 ccw(c14108.88,4461.28) 14108.88,4437.52 ; 14110.72,4437.52 ccw(c14110.72,4449.4) 14119.12,4441 cw(c14110.72,4449.4) 14110.72,4437.52 ; 14110.72,4437.52 cw(c14110.72,4425.64) 14119.12,4434.04 ccw(c14110.72,4425.64) 14110.72,4437.52 ; 14655.48,1967.6 ccw(c14655.48,1943.84) 14638.68,1960.64 cw(c14655.48,1943.84) 14655.48,1967.6 ; 14655.48,1967.6 cw(c14655.48,1991.36) 14638.68,1974.56 ccw(c14655.48,1991.36) 14655.48,1967.6 ; 14657.99,1967.6 ccw(c14657.99,1979.48) 14666.39,1971.08 cw(c14657.99,1979.48) 14657.99,1967.6 ; 14657.99,1967.6 cw(c14657.99,1955.72) 14666.39,1964.12 ccw(c14657.99,1955.72) 14657.99,1967.6 ; 14689.55,1953.89 ccw(c14701.43,1953.89) 14693.03,1945.49 cw(c14701.43,1953.89) 14689.55,1953.89 ; 14689.55,1953.89 cw(c14677.67,1953.89) 14686.07,1945.49 ccw(c14677.67,1953.89) 14689.55,1953.89 ; 14689.55,1955.72 ccw(c14677.67,1955.72) 14686.07,1964.12 cw(c14677.67,1955.72) 14689.55,1955.72 ; 14689.55,1955.72 cw(c14701.43,1955.72) 14693.03,1964.12 ccw(c14701.43,1955.72) 14689.55,1955.72 ; 16220.48,1967.6 ccw(c16220.48,1943.84) 16203.68,1960.64 cw(c16220.48,1943.84) 16220.48,1967.6 ; 16220.48,1967.6 cw(c16220.48,1991.36) 16203.68,1974.56 ccw(c16220.48,1991.36) 16220.48,1967.6 ; 16222.99,1967.6 ccw(c16222.99,1979.48) 16231.39,1971.08 cw(c16222.99,1979.48) 16222.99,1967.6 ; 16222.99,1967.6 cw(c16222.99,1955.72) 16231.39,1964.12 ccw(c16222.99,1955.72) 16222.99,1967.6 ; 16254.55,1953.89 ccw(c16266.43,1953.89) 16258.03,1945.49 cw(c16266.43,1953.89) 16254.55,1953.89 ; 16254.55,1953.89 cw(c16242.67,1953.89) 16251.07,1945.49 ccw(c16242.67,1953.89) 16254.55,1953.89 ; 16254.55,1955.72 ccw(c16242.67,1955.72) 16251.07,1964.12 cw(c16242.67,1955.72) 16254.55,1955.72 ; 16254.55,1955.72 cw(c16266.43,1955.72) 16258.03,1964.12 